# KiCad board schema_keyboard_game.kicad_pcb (continued)
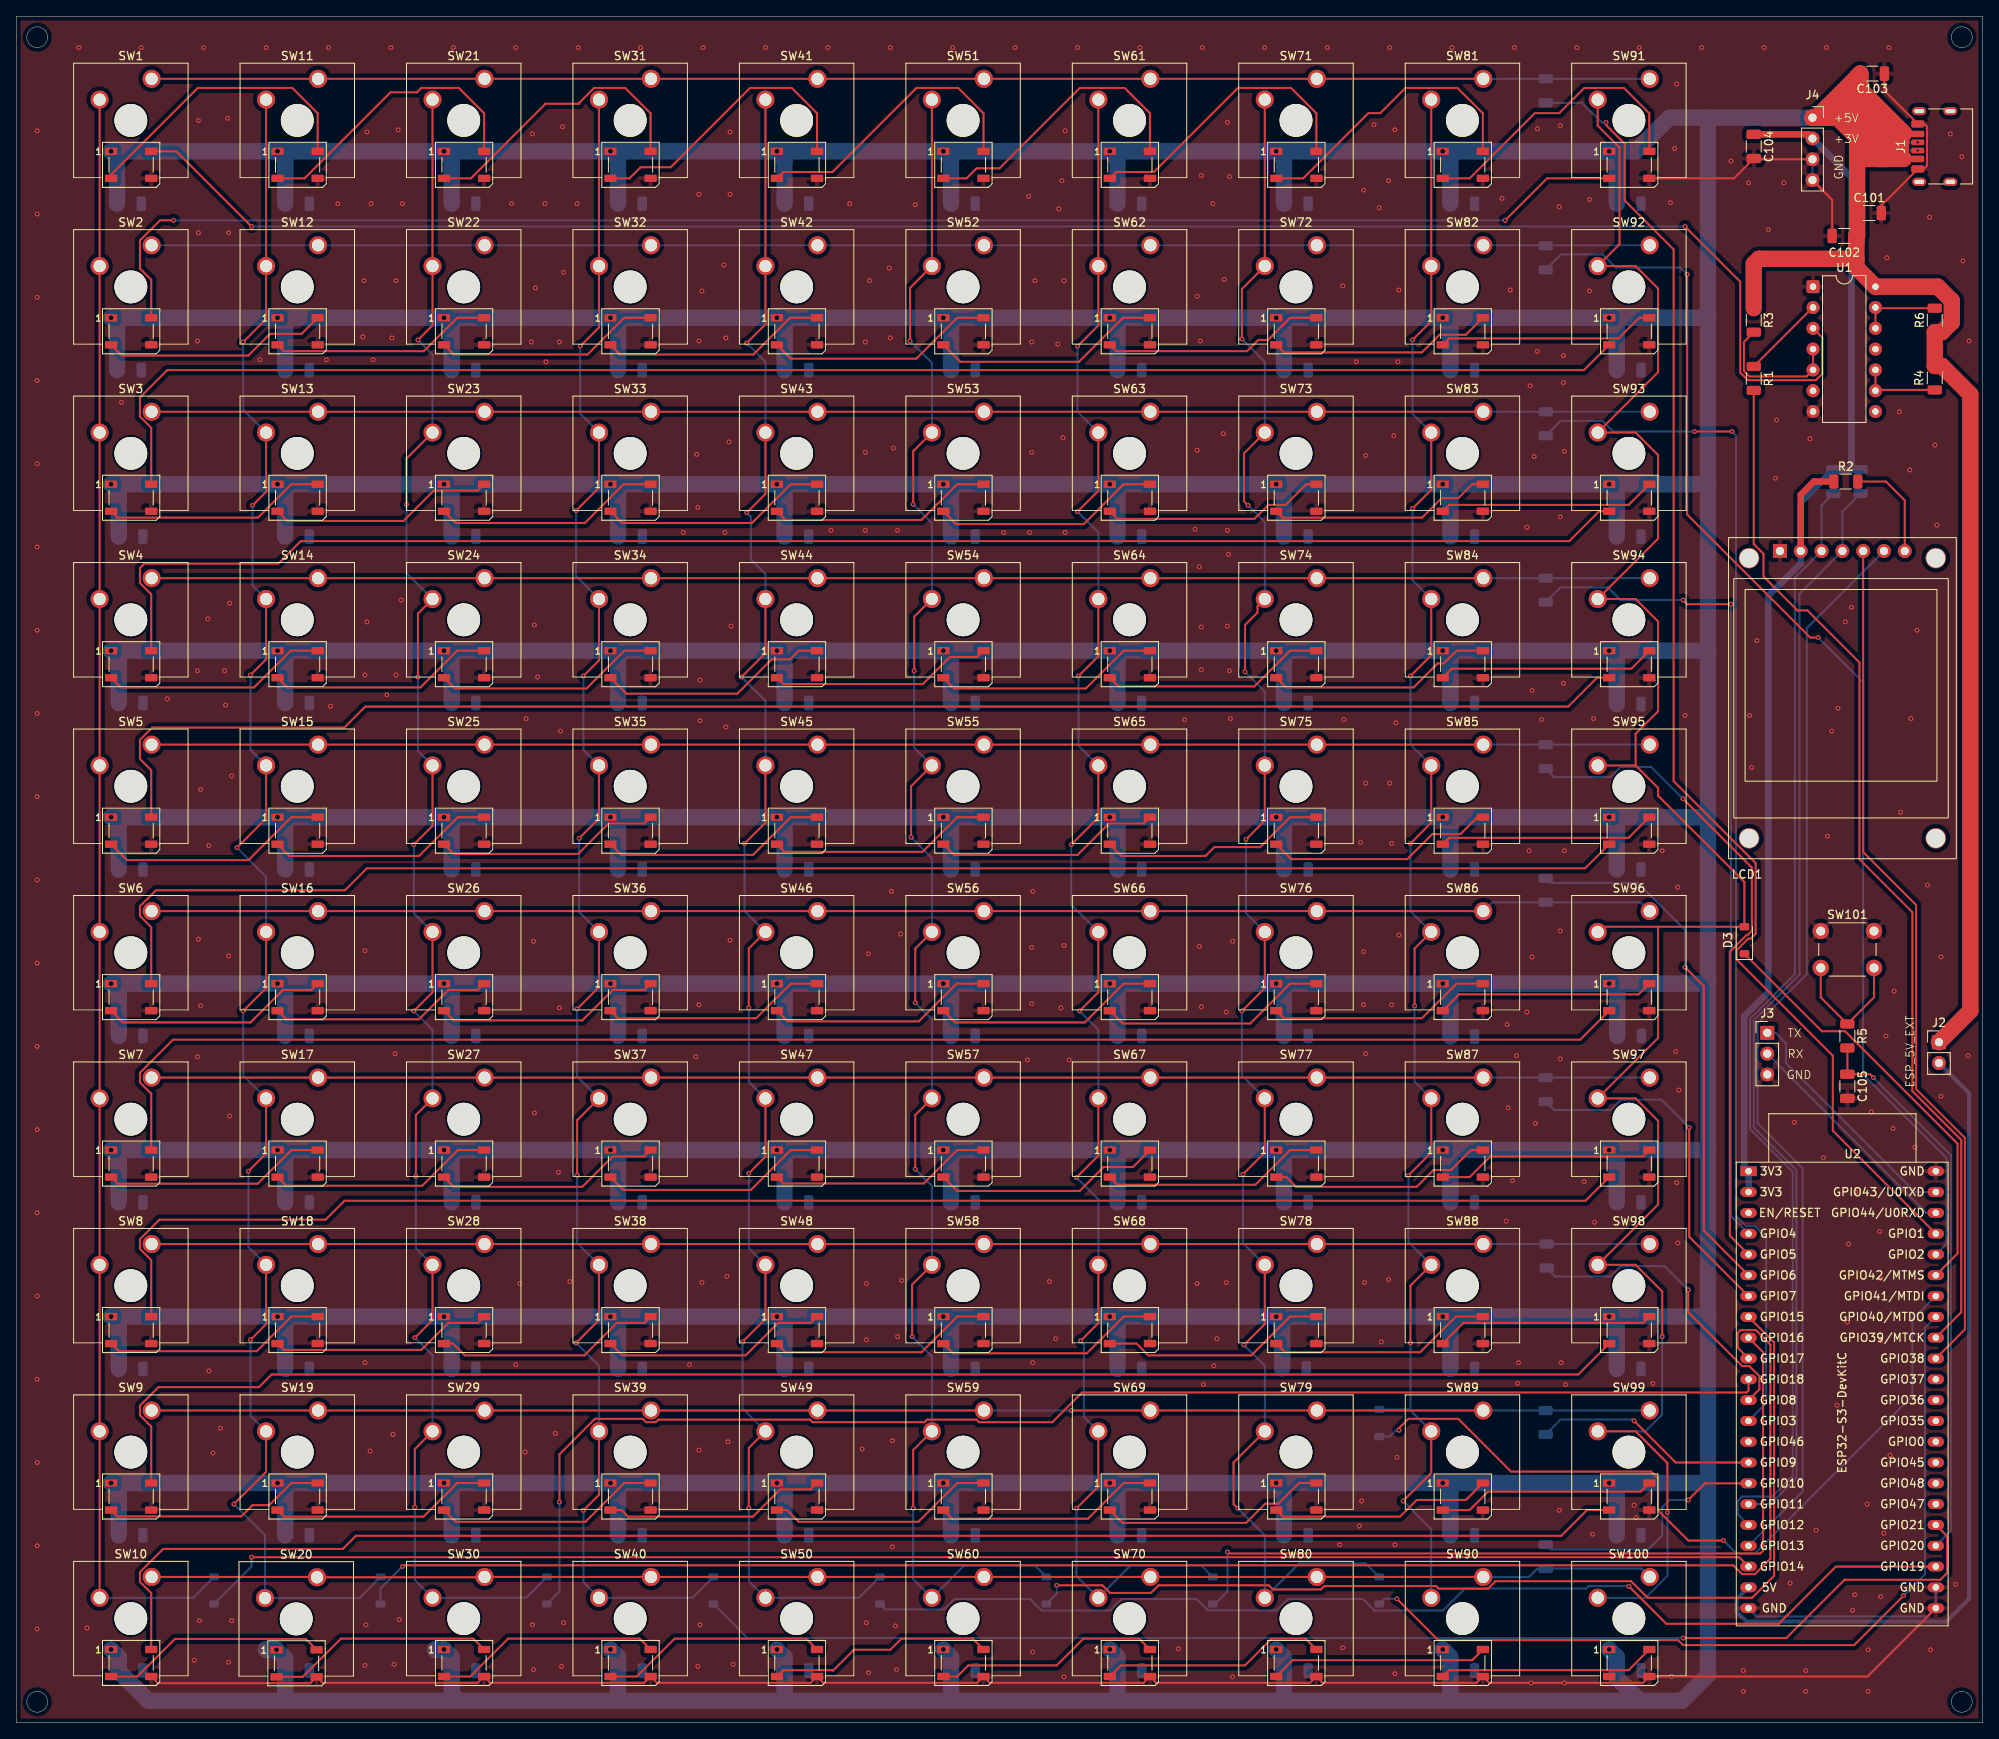
[diagram p0: board, top side]
## Nets
+3V3: C104.1 J4.2 LCD1.2 R2.1 R17.2 R18.2 U2.1 U2.2
+5V: C1.1 C2.1 C3.1 C4.1 C5.1 C6.1 C7.1 C8.1 C9.1 C10.1 C11.1 C12.1 C13.1 C14.1 C15.1 C16.1 C17.1 C18.1 C19.1 C20.1 C21.1 C22.1 C23.1 C24.1 C25.1 C26.1 C27.1 C28.1 C29.1 C30.1 C31.1 C32.1 C33.1 C34.1 C35.1 C36.1 C37.1 C38.1 C39.1 C40.1 C41.1 C42.1 C43.1 C44.1 C45.1 C46.1 C47.1 C48.1 C49.1 C50.1 C51.1 C52.1 C53.1 C54.1 C55.1 C56.1 C57.1 C58.1 C59.1 C60.1 C61.1 C62.1 C63.1 C64.1 C65.1 C66.1 C67.1 C68.1 C69.1 C70.1 C71.1 C72.1 C73.1 C74.1 C75.1 C76.1 C77.1 C78.1 C79.1 C80.1 C81.1 C82.1 C83.1 C84.1 C85.1 C86.1 C87.1 C88.1 C89.1 C90.1 C91.1 C92.1 C93.1 C94.1 C95.1 C96.1 C97.1 C98.1 C99.1 C100.1 C101.1 C102.2 C103.2 J1.A9 J1.B9 J2.1 J4.1 R3.1 R4.1 R6.1 SW1.1 SW2.1 SW3.1 SW4.1 SW5.1 SW6.1 SW7.1 SW8.1 SW9.1 SW10.1 SW11.1 SW12.1 SW13.1 SW14.1 SW15.1 SW16.1 SW17.1 SW18.1 SW19.1 SW20.1 SW21.1 SW22.1 SW23.1 SW24.1 SW25.1 SW26.1 SW27.1 SW28.1 SW29.1 SW30.1 SW31.1 SW32.1 SW33.1 SW34.1 SW35.1 SW36.1 SW37.1 SW38.1 SW39.1 SW40.1 SW41.1 SW42.1 SW43.1 SW44.1 SW45.1 SW46.1 SW47.1 SW48.1 SW49.1 SW50.1 SW51.1 SW52.1 SW53.1 SW54.1 SW55.1 SW56.1 SW57.1 SW58.1 SW59.1 SW60.1 SW61.1 SW62.1 SW63.1 SW64.1 SW65.1 SW66.1 SW67.1 SW68.1 SW69.1 SW70.1 SW71.1 SW72.1 SW73.1 SW74.1 SW75.1 SW76.1 SW77.1 SW78.1 SW79.1 SW80.1 SW81.1 SW82.1 SW83.1 SW84.1 SW85.1 SW86.1 SW87.1 SW88.1 SW89.1 SW90.1 SW91.1 SW92.1 SW93.1 SW94.1 SW95.1 SW96.1 SW97.1 SW98.1 SW99.1 SW100.1 U1.14
GND: C1.2 C2.2 C3.2 C4.2 C5.2 C6.2 C7.2 C8.2 C9.2 C10.2 C11.2 C12.2 C13.2 C14.2 C15.2 C16.2 C17.2 C18.2 C19.2 C20.2 C21.2 C22.2 C23.2 C24.2 C25.2 C26.2 C27.2 C28.2 C29.2 C30.2 C31.2 C32.2 C33.2 C34.2 C35.2 C36.2 C37.2 C38.2 C39.2 C40.2 C41.2 C42.2 C43.2 C44.2 C45.2 C46.2 C47.2 C48.2 C49.2 C50.2 C51.2 C52.2 C53.2 C54.2 C55.2 C56.2 C57.2 C58.2 C59.2 C60.2 C61.2 C62.2 C63.2 C64.2 C65.2 C66.2 C67.2 C68.2 C69.2 C70.2 C71.2 C72.2 C73.2 C74.2 C75.2 C76.2 C77.2 C78.2 C79.2 C80.2 C81.2 C82.2 C83.2 C84.2 C85.2 C86.2 C87.2 C88.2 C89.2 C90.2 C91.2 C92.2 C93.2 C94.2 C95.2 C96.2 C97.2 C98.2 C99.2 C100.2 C101.2 C102.1 C103.1 C104.2 C105.2 J1.A12 J1.B12 J3.3 J4.3 J4.4 LCD1.1 R19.1 R20.1 SW1.3 SW2.3 SW3.3 SW4.3 SW5.3 SW6.3 SW7.3 SW8.3 SW9.3 SW10.3 SW11.3 SW12.3 SW13.3 SW14.3 SW15.3 SW16.3 SW17.3 SW18.3 SW19.3 SW20.3 SW21.3 SW22.3 SW23.3 SW24.3 SW25.3 SW26.3 SW27.3 SW28.3 SW29.3 SW30.3 SW31.3 SW32.3 SW33.3 SW34.3 SW35.3 SW36.3 SW37.3 SW38.3 SW39.3 SW40.3 SW41.3 SW42.3 SW43.3 SW44.3 SW45.3 SW46.3 SW47.3 SW48.3 SW49.3 SW50.3 SW51.3 SW52.3 SW53.3 SW54.3 SW55.3 SW56.3 SW57.3 SW58.3 SW59.3 SW60.3 SW61.3 SW62.3 SW63.3 SW64.3 SW65.3 SW66.3 SW67.3 SW68.3 SW69.3 SW70.3 SW71.3 SW72.3 SW73.3 SW74.3 SW75.3 SW76.3 SW77.3 SW78.3 SW79.3 SW80.3 SW81.3 SW82.3 SW83.3 SW84.3 SW85.3 SW86.3 SW87.3 SW88.3 SW89.3 SW90.3 SW91.3 SW92.3 SW93.3 SW94.3 SW95.3 SW96.3 SW97.3 SW98.3 SW99.3 SW100.3 SW101.1 U1.1 U1.7 U2.22 U2.23 U2.24 U2.44
/cl_1: D6.2 SW1.6 SW2.6 SW3.6 SW4.6 SW5.6 SW6.6 SW7.6 SW8.6 SW9.6 SW10.6
/cl_2: D7.2 SW11.6 SW12.6 SW13.6 SW14.6 SW15.6 SW16.6 SW17.6 SW18.6 SW19.6 SW20.6
/cl_3: D8.2 SW21.6 SW22.6 SW23.6 SW24.6 SW25.6 SW26.6 SW27.6 SW28.6 SW29.6 SW30.6
/cl_4: D9.2 SW31.6 SW32.6 SW33.6 SW34.6 SW35.6 SW36.6 SW37.6 SW38.6 SW39.6 SW40.6
/cl_5: D10.2 SW41.6 SW42.6 SW43.6 SW44.6 SW45.6 SW46.6 SW47.6 SW48.6 SW49.6 SW50.6
/cl_6: D4.2 SW51.6 SW52.6 SW53.6 SW54.6 SW55.6 SW56.6 SW57.6 SW58.6 SW59.6 SW60.6
/cl_7: D5.2 SW61.6 SW62.6 SW63.6 SW64.6 SW65.6 SW66.6 SW67.6 SW68.6 SW69.6 SW70.6
/cl_8: D1.2 SW71.6 SW72.6 SW73.6 SW74.6 SW75.6 SW76.6 SW77.6 SW78.6 SW79.6 SW80.6
/cl_9: D2.2 SW81.6 SW82.6 SW83.6 SW84.6 SW85.6 SW86.6 SW87.6 SW88.6 SW89.6 SW90.6
/cl_10: D3.2 SW91.6 SW92.6 SW93.6 SW94.6 SW95.6 SW96.6 SW97.6 SW98.6 SW99.6 SW100.6
/dc: LCD1.6 U2.19
/esp_5V_external: J2.2 U2.21
/key_1: C105.1 R5.2 U2.26
/led_1: SW2.4 SW91.2
/led_2: SW3.4 SW92.2
/led_3: SW4.4 SW93.2
/led_4: SW5.4 SW94.2
/led_5: SW6.4 SW95.2
/led_6: SW7.4 SW96.2
/led_7: SW8.4 SW97.2
/led_8: SW9.4 SW98.2
/led_9: SW10.4 SW99.2
/reset_tft: LCD1.5 U2.35
/rgb_in: R1.1 U1.2
/rgb_in_5V: SW1.4 U1.3
/row_1: R7.2 SW1.5 SW11.5 SW21.5 SW31.5 SW41.5 SW51.5 SW61.5 SW71.5 SW81.5 SW91.5
/row_2: R8.2 SW2.5 SW12.5 SW22.5 SW32.5 SW42.5 SW52.5 SW62.5 SW72.5 SW82.5 SW92.5
/row_3: R9.2 SW3.5 SW13.5 SW23.5 SW33.5 SW43.5 SW53.5 SW63.5 SW73.5 SW83.5 SW93.5
/row_4: R10.2 SW4.5 SW14.5 SW24.5 SW34.5 SW44.5 SW54.5 SW64.5 SW74.5 SW84.5 SW94.5
/row_5: R11.2 SW5.5 SW15.5 SW25.5 SW35.5 SW45.5 SW55.5 SW65.5 SW75.5 SW85.5 SW95.5
/row_6: R12.2 SW6.5 SW16.5 SW26.5 SW36.5 SW46.5 SW56.5 SW66.5 SW76.5 SW86.5 SW96.5
/row_7: R13.2 SW7.5 SW17.5 SW27.5 SW37.5 SW47.5 SW57.5 SW67.5 SW77.5 SW87.5 SW97.5
/row_8: R14.2 SW8.5 SW18.5 SW28.5 SW38.5 SW48.5 SW58.5 SW68.5 SW78.5 SW88.5 SW98.5
/row_9: R15.2 SW9.5 SW19.5 SW29.5 SW39.5 SW49.5 SW59.5 SW69.5 SW79.5 SW89.5 SW99.5
/row_10: R16.2 SW10.5 SW20.5 SW30.5 SW40.5 SW50.5 SW60.5 SW70.5 SW80.5 SW90.5 SW100.5
/sck: LCD1.3 R18.1 U2.18
/sda: LCD1.4 R17.1 U2.17
/uart_rx: J3.2 U2.42
/uart_tx: J3.1 U2.43
Net-(D1-K): D1.1 U2.37
Net-(D2-K): D2.1 U2.38
Net-(D3-K): D3.1 U2.39
Net-(D4-K): D4.1 U2.8
Net-(D5-K): D5.1 U2.9
Net-(D6-K): D6.1 U2.20
Net-(D7-K): D7.1 U2.10
Net-(D8-K): D8.1 U2.11
Net-(D9-K): D9.1 U2.27
Net-(D10-K): D10.1 U2.25
Net-(J1-CC1): J1.A5 R20.2
Net-(J1-CC2): J1.B5 R19.2
Net-(LCD1-BLK): LCD1.7 R2.2
Net-(R3-Pad2): R3.2 U1.4 U1.5
Net-(R4-Pad2): R4.2 U1.9 U1.10
Net-(R5-Pad1): R5.1 SW101.2
Net-(R6-Pad2): R6.2 U1.12 U1.13
Net-(SW1-DOUT): SW1.2 SW11.4
Net-(SW10-DOUT): SW10.2 SW20.4
Net-(SW11-DOUT): SW11.2 SW21.4
Net-(SW12-DIN): SW2.2 SW12.4
Net-(SW12-DOUT): SW12.2 SW22.4
Net-(SW13-DIN): SW3.2 SW13.4
Net-(SW13-DOUT): SW13.2 SW23.4
Net-(SW14-DIN): SW4.2 SW14.4
Net-(SW14-DOUT): SW14.2 SW24.4
Net-(SW15-DIN): SW5.2 SW15.4
Net-(SW15-DOUT): SW15.2 SW25.4
Net-(SW16-DIN): SW6.2 SW16.4
Net-(SW16-DOUT): SW16.2 SW26.4
Net-(SW17-DIN): SW7.2 SW17.4
Net-(SW17-DOUT): SW17.2 SW27.4
Net-(SW18-DIN): SW8.2 SW18.4
Net-(SW18-DOUT): SW18.2 SW28.4
Net-(SW19-DIN): SW9.2 SW19.4
Net-(SW19-DOUT): SW19.2 SW29.4
Net-(SW20-DOUT): SW20.2 SW30.4
Net-(SW21-DOUT): SW21.2 SW31.4
Net-(SW22-DOUT): SW22.2 SW32.4
Net-(SW23-DOUT): SW23.2 SW33.4
Net-(SW24-DOUT): SW24.2 SW34.4
Net-(SW25-DOUT): SW25.2 SW35.4
Net-(SW26-DOUT): SW26.2 SW36.4
Net-(SW27-DOUT): SW27.2 SW37.4
Net-(SW28-DOUT): SW28.2 SW38.4
Net-(SW29-DOUT): SW29.2 SW39.4
Net-(SW30-DOUT): SW30.2 SW40.4
Net-(SW31-DOUT): SW31.2 SW41.4
Net-(SW32-DOUT): SW32.2 SW42.4
Net-(SW33-DOUT): SW33.2 SW43.4
Net-(SW34-DOUT): SW34.2 SW44.4
Net-(SW35-DOUT): SW35.2 SW45.4
Net-(SW36-DOUT): SW36.2 SW46.4
Net-(SW37-DOUT): SW37.2 SW47.4
Net-(SW38-DOUT): SW38.2 SW48.4
Net-(SW39-DOUT): SW39.2 SW49.4
Net-(SW40-DOUT): SW40.2 SW50.4
Net-(SW41-DOUT): SW41.2 SW51.4
Net-(SW42-DOUT): SW42.2 SW52.4
Net-(SW43-DOUT): SW43.2 SW53.4
Net-(SW44-DOUT): SW44.2 SW54.4
Net-(SW45-DOUT): SW45.2 SW55.4
Net-(SW46-DOUT): SW46.2 SW56.4
Net-(SW47-DOUT): SW47.2 SW57.4
Net-(SW48-DOUT): SW48.2 SW58.4
Net-(SW49-DOUT): SW49.2 SW59.4
Net-(SW50-DOUT): SW50.2 SW60.4
Net-(SW51-DOUT): SW51.2 SW61.4
Net-(SW52-DOUT): SW52.2 SW62.4
Net-(SW53-DOUT): SW53.2 SW63.4
Net-(SW54-DOUT): SW54.2 SW64.4
Net-(SW55-DOUT): SW55.2 SW65.4
Net-(SW56-DOUT): SW56.2 SW66.4
Net-(SW57-DOUT): SW57.2 SW67.4
Net-(SW58-DOUT): SW58.2 SW68.4
Net-(SW59-DOUT): SW59.2 SW69.4
Net-(SW60-DOUT): SW60.2 SW70.4
Net-(SW61-DOUT): SW61.2 SW71.4
Net-(SW62-DOUT): SW62.2 SW72.4
Net-(SW63-DOUT): SW63.2 SW73.4
Net-(SW64-DOUT): SW64.2 SW74.4
Net-(SW65-DOUT): SW65.2 SW75.4
Net-(SW66-DOUT): SW66.2 SW76.4
Net-(SW67-DOUT): SW67.2 SW77.4
Net-(SW68-DOUT): SW68.2 SW78.4
Net-(SW69-DOUT): SW69.2 SW79.4
Net-(SW70-DOUT): SW70.2 SW80.4
Net-(SW71-DOUT): SW71.2 SW81.4
Net-(SW72-DOUT): SW72.2 SW82.4
Net-(SW73-DOUT): SW73.2 SW83.4
Net-(SW74-DOUT): SW74.2 SW84.4
Net-(SW75-DOUT): SW75.2 SW85.4
Net-(SW76-DOUT): SW76.2 SW86.4
Net-(SW77-DOUT): SW77.2 SW87.4
Net-(SW78-DOUT): SW78.2 SW88.4
Net-(SW79-DOUT): SW79.2 SW89.4
Net-(SW80-DOUT): SW80.2 SW90.4
Net-(SW81-DOUT): SW81.2 SW91.4
Net-(SW82-DOUT): SW82.2 SW92.4
Net-(SW83-DOUT): SW83.2 SW93.4
Net-(SW84-DOUT): SW84.2 SW94.4
Net-(SW85-DOUT): SW85.2 SW95.4
Net-(SW86-DOUT): SW86.2 SW96.4
Net-(SW87-DOUT): SW87.2 SW97.4
Net-(SW88-DOUT): SW88.2 SW98.4
Net-(SW89-DOUT): SW89.2 SW99.4
Net-(SW100-DIN): SW90.2 SW100.4
Net-(U2-GPIO1/ADC1_CH0): R7.1 U2.41
Net-(U2-GPIO2/ADC1_CH1): R8.1 U2.40
Net-(U2-GPIO3/ADC1_CH2): R9.1 U2.13
Net-(U2-GPIO4/ADC1_CH3): R10.1 U2.4
Net-(U2-GPIO5/ADC1_CH4): R11.1 U2.5
Net-(U2-GPIO6/ADC1_CH5): R12.1 U2.6
Net-(U2-GPIO7/ADC1_CH6): R13.1 U2.7
Net-(U2-GPIO8/ADC1_CH7): R14.1 U2.12
Net-(U2-GPIO9/ADC1_CH8): R15.1 U2.15
Net-(U2-GPIO10/ADC1_CH9): R16.1 U2.16
Net-(U2-GPIO39/MTCK): R1.2 U2.36

Pads without a net: J1 S1; SW100 2; U1 6 8 11; U2 3 14 28 29 30 31 32 33 34

## Via types
v1: diameter 0.8, hole 0.6, Top to Bottom, 100 vias
v2: diameter 0.6, hole 0.3, Top to Bottom, 485 vias

## Routing (per net, layer and track width the routed paths; a pad name or vN(x,y) marks a point on that pad's centre or on a via; arc(x,y) is an arc through that point)
+3V3: length 157.7
  Top w0.8: R2.1 219.6,151.5 219.58,151.51 219.46,151.51 217.82,149.88 217.82,143.02 ; C104.1 218.76,193.88 J4.2
  Bottom w0.8: 223.65,152.96 224.03,153.34 224.03,188.61 J4.2 ; 223.65,152.96 R18.2 217.82,148.97 217.82,141.51 213.87,137.55 213.87,89.16 210.92,86.21 210.92,67.85 U2.1 U2.2 ; 223.65,152.96 R17.2
+5V: length 3046.3
  Top w2: 226.89,192.28 228.28,190.88 228.35,190.88 ; 226.89,192.28 226.89,191.33 ; 226.89,192.28 226.89,193.93 225.09,195.72 C103.2 ; 224.71,190.75 224.71,200.91 C103.2 ; 224.71,190.75 224.84,190.88 228.35,190.88 ; 224.71,190.75 C101.1 224.71,181.58 C102.2 ; 224.61,180.58 C102.2 ; C102.2 224.61,178.69 ; 226.89,191.33 222.3,195.92 J4.1 ; 226.89,191.33 227.33,190.88 228.35,190.88 ; J4.1 225.35,195.92 230.39,190.88 228.35,190.88 ; J4.1 219.71,195.92 C103.2 ; 230.45,193.99 225.09,199.35 C103.2 ; 224.61,178.69 212.73,178.69 212.09,178.05 R3.1 ; 224.61,178.69 224.61,177.62 U1.14 234.56,175.29 236.26,173.58 236.26,170.93 235.06,169.73 R6.1 R4.1 235.06,165.61 238.53,162.14 238.53,86.89 J2.1
  Bottom w2: v1(194.44,191.81) 197.68,191.81 201.78,195.92 206.5,195.92 ; v1(194.44,191.81) 195.38,190.88 C76.1 ; v1(194.44,191.81) v1(174.12,191.81) ; v1(31.88,90.21) v1(11.56,90.21) 12.5,89.28 C6.1 ; v1(31.88,90.21) v1(52.2,90.21) ; v1(31.88,90.21) 32.81,89.28 C15.1 ; v1(52.2,191.81) v1(31.88,191.81) ; v1(52.2,191.81) 53.14,190.88 C42.1 ; v1(52.2,191.81) v1(72.52,191.81) ; v1(31.88,191.81) 32.81,190.88 C10.1 ; v1(31.88,191.81) v1(11.56,191.81) 12.29,191.08 C1.1 ; v1(194.44,130.85) 195.38,129.92 C90.1 ; v1(194.44,130.85) v1(174.12,130.85) ; v1(194.44,130.85) 206.46,130.85 206.5,130.81 ; C4.1 12.5,129.92 v1(11.56,130.85) v1(31.88,130.85) ; C93.1 195.38,48.63 v1(194.44,49.57) ; v1(153.8,8.93) 154.74,8 C74.1 154.74,2.97 154.43,2.67 ; C69.1 134.42,89.28 v1(133.48,90.21) ; 134.49,2.67 134.42,2.75 C88.1 134.42,8 v1(133.48,8.93) ; 134.49,2.67 154.43,2.67 ; 134.49,2.67 114.3,2.67 ; C94.1 114.1,89.28 v1(113.16,90.21) ; 206.5,171.32 206.5,151.26 ; 206.5,171.32 206.5,195.92 ; 206.5,171.32 206.34,171.49 v1(194.44,171.49) ; 206.5,151.26 206.5,130.81 ; 206.5,151.26 206.42,151.17 v1(194.44,151.17) ; C47.1 114.1,28.31 v1(113.16,29.25) ; C26.1 53.14,48.63 v1(52.2,49.57) ; v1(92.84,130.85) v1(72.52,130.85) ; v1(92.84,130.85) v1(113.16,130.85) ; v1(92.84,130.85) 93.77,129.92 C40.1 ; v1(72.52,130.85) v1(52.2,130.85) ; v1(72.52,130.85) 73.45,129.92 C33.1 ; v1(153.8,29.25) v1(133.48,29.25) ; v1(153.8,29.25) 154.74,28.31 C80.1 ; v1(153.8,29.25) v1(174.12,29.25) ; v1(133.48,29.25) 134.42,28.31 C51.1 ; v1(133.48,29.25) v1(113.16,29.25) ; C95.1 114.1,68.96 v1(113.16,69.89) ; C45.1 154.74,190.88 v1(153.8,191.81) ; C20.1 73.45,170.56 v1(72.52,171.49) ; v1(72.52,151.17) 73.45,150.24 C34.1 ; v1(72.52,151.17) v1(92.84,151.17) ; v1(72.52,151.17) v1(52.2,151.17) ; v1(194.44,110.53) 195.38,109.59 C100.1 ; v1(194.44,110.53) v1(174.12,110.53) ; v1(194.44,110.53) 206.16,110.53 206.5,110.87 ; 206.5,49.4 206.5,29.21 ; 206.5,49.4 206.5,70.23 ; 206.5,49.4 206.34,49.57 v1(194.44,49.57) ; 206.5,29.21 206.46,29.25 v1(194.44,29.25) ; 206.5,29.21 206.5,5.84 203.33,2.67 198.16,2.67 ; C85.1 175.06,129.92 v1(174.12,130.85) ; 114.3,2.67 114.1,2.87 C73.1 114.1,8 v1(113.16,8.93) ; 114.3,2.67 93.98,2.67 ; v1(194.44,171.49) v1(174.12,171.49) ; v1(194.44,171.49) 195.38,170.56 C50.1 ; C81.1 195.38,68.96 v1(194.44,69.89) ; v1(72.52,29.25) v1(52.2,29.25) ; v1(72.52,29.25) 73.45,28.31 C28.1 ; v1(72.52,29.25) v1(92.84,29.25) ; v1(52.2,29.25) 53.14,28.31 C27.1 ; v1(52.2,29.25) v1(31.88,29.25) ; v1(133.48,90.21) v1(153.8,90.21) ; v1(133.48,90.21) v1(113.16,90.21) ; C91.1 93.77,170.56 v1(92.84,171.49) ; 206.5,110.87 206.5,130.81 ; 206.5,110.87 206.5,90.3 ; C61.1 93.77,190.87 v1(92.84,191.81) ; v1(31.88,151.17) v1(11.56,151.17) 12.5,150.24 C3.1 ; v1(31.88,151.17) 32.81,150.24 C12.1 ; v1(31.88,151.17) v1(52.2,151.17) ; v1(31.88,49.57) v1(11.56,49.57) 12.5,48.63 C8.1 ; v1(31.88,49.57) 32.81,48.63 C17.1 ; v1(31.88,49.57) v1(52.2,49.57) ; v1(194.44,29.25) v1(174.12,29.25) ; v1(194.44,29.25) 195.38,28.31 C63.1 ; v1(174.12,29.25) 175.06,28.31 C79.1 ; v1(153.8,90.21) 154.74,89.28 C54.1 ; v1(153.8,90.21) v1(174.12,90.21) ; C21.1 53.14,150.24 v1(52.2,151.17) ; v1(72.52,8.93) 73.45,8 C72.1 73.45,3 73.79,2.67 ; 206.5,195.92 J4.1 ; v1(113.16,49.57) 114.1,48.63 C49.1 ; v1(113.16,49.57) v1(133.48,49.57) ; v1(113.16,49.57) v1(92.84,49.57) ; v1(72.52,90.21) 73.45,89.28 C31.1 ; v1(72.52,90.21) v1(92.84,90.21) ; v1(72.52,90.21) v1(52.2,90.21) ; 198.16,2.67 195.38,5.45 C75.1 195.38,8 v1(194.44,8.93) ; 198.16,2.67 175.26,2.67 ; v1(113.16,110.53) v1(133.48,110.53) ; v1(113.16,110.53) v1(92.84,110.53) ; v1(113.16,110.53) 114.1,109.59 C82.1 ; v1(133.48,110.53) v1(153.8,110.53) ; v1(133.48,110.53) 134.42,109.59 C84.1 ; v1(52.2,90.21) 53.14,89.28 C24.1 ; C41.1 93.77,150.24 v1(92.84,151.17) ; v1(174.12,69.89) v1(153.8,69.89) ; v1(174.12,69.89) v1(194.44,69.89) ; v1(174.12,69.89) 175.06,68.96 C67.1 ; v1(153.8,69.89) 154.74,68.96 C96.1 ; v1(153.8,69.89) v1(133.48,69.89) ; v1(92.84,90.21) 93.77,89.28 C38.1 ; v1(92.84,90.21) v1(113.16,90.21) ; v1(92.84,69.89) v1(72.52,69.89) ; v1(92.84,69.89) 93.77,68.96 C37.1 ; v1(92.84,69.89) v1(113.16,69.89) ; v1(72.52,69.89) 73.45,68.96 C30.1 ; v1(72.52,69.89) v1(52.2,69.89) ; C32.1 73.45,109.59 v1(72.52,110.53) ; v1(174.12,171.49) 175.06,170.56 C68.1 ; v1(174.12,171.49) v1(153.8,171.49) ; C35.1 93.77,28.31 v1(92.84,29.25) ; C29.1 73.45,48.63 v1(72.52,49.57) ; C44.1 134.42,190.88 v1(133.48,191.81) ; C39.1 93.77,109.59 v1(92.84,110.53) ; v1(153.8,130.85) v1(133.48,130.85) ; v1(153.8,130.85) v1(174.12,130.85) ; v1(153.8,130.85) 154.74,129.92 C70.1 ; v1(133.48,130.85) v1(113.16,130.85) ; v1(133.48,130.85) 134.42,129.92 C97.1 ; v1(194.44,90.21) 195.42,89.23 C83.1 ; v1(194.44,90.21) 206.42,90.21 206.5,90.3 ; v1(194.44,90.21) v1(174.12,90.21) ; 206.5,90.3 206.5,70.23 ; 206.5,70.23 206.16,69.89 v1(194.44,69.89) ; v1(92.84,151.17) v1(113.16,151.17) ; C23.1 53.14,109.59 v1(52.2,110.53) ; v1(92.84,110.53) v1(72.52,110.53) ; v1(174.12,49.57) v1(194.44,49.57) ; v1(174.12,49.57) v1(153.8,49.57) ; v1(174.12,49.57) 175.06,48.63 C55.1 ; C14.1 32.81,109.59 v1(31.88,110.53) ; C99.1 154.74,109.59 v1(153.8,110.53) ; v1(72.52,171.49) v1(92.84,171.49) ; v1(72.52,171.49) v1(52.2,171.49) ; v1(92.84,171.49) v1(113.16,171.49) ; C19.1 53.14,170.56 v1(52.2,171.49) ; v1(174.12,151.17) v1(153.8,151.17) ; v1(174.12,151.17) v1(194.44,151.17) ; v1(174.12,151.17) 175.06,150.24 C57.1 ; v1(153.8,151.17) 154.74,150.24 C86.1 ; v1(153.8,151.17) v1(133.48,151.17) ; v1(72.52,49.57) v1(52.2,49.57) ; v1(72.52,49.57) v1(92.84,49.57) ; C46.1 73.45,190.88 v1(72.52,191.81) ; v1(133.48,49.57) v1(153.8,49.57) ; v1(133.48,49.57) 134.42,48.63 C65.1 ; C43.1 114.1,190.88 v1(113.16,191.81) ; v1(52.2,110.53) v1(72.52,110.53) ; v1(52.2,110.53) v1(31.88,110.53) ; v1(92.84,8.93) 93.77,8 C60.1 93.77,2.87 93.98,2.67 ; 154.43,2.67 175.26,2.67 ; v1(52.2,130.85) v1(31.88,130.85) ; v1(52.2,130.85) 53.14,129.92 C22.1 ; v1(31.88,130.85) 32.81,129.92 C13.1 ; v1(92.84,49.57) 93.77,48.63 C36.1 ; v1(153.8,171.49) v1(133.48,171.49) ; v1(153.8,171.49) 154.74,170.56 C78.1 ; C7.1 12.5,68.96 v1(11.56,69.89) v1(31.88,69.89) ; v1(153.8,110.53) v1(174.12,110.53) ; v1(113.16,69.89) v1(133.48,69.89) ; v1(31.88,69.89) 32.81,68.96 C16.1 ; v1(31.88,69.89) v1(52.2,69.89) ; v1(194.44,151.17) 195.38,150.24 C56.1 ; v1(133.48,69.89) 134.42,68.96 C66.1 ; v1(113.16,130.85) 114.1,129.92 C92.1 ; v1(31.88,29.25) v1(11.56,29.25) 12.5,28.31 C9.1 ; v1(31.88,29.25) 32.81,28.31 C18.1 ; v1(72.52,191.81) v1(92.84,191.81) ; 93.98,2.67 73.79,2.67 ; 73.79,2.67 53.98,2.67 ; v1(92.84,29.25) v1(113.16,29.25) ; v1(92.84,191.81) v1(113.16,191.81) ; v1(52.2,69.89) 53.14,68.96 C25.1 ; v1(153.8,49.57) 154.52,48.85 C52.1 ; C53.1 134.42,150.24 v1(133.48,151.17) ; C2.1 12.29,170.76 v1(11.56,171.49) v1(31.88,171.49) ; v1(174.12,191.81) 175.06,190.88 C48.1 ; v1(174.12,191.81) v1(153.8,191.81) ; v1(174.12,110.53) 175.06,109.59 C98.1 ; v1(133.48,171.49) 134.42,170.56 C64.1 ; v1(133.48,171.49) v1(113.16,171.49) ; v1(113.16,191.81) v1(133.48,191.81) ; v1(174.12,8.93) 175.06,8 C89.1 175.06,2.87 175.26,2.67 ; C62.1 114.1,170.56 v1(113.16,171.49) ; v1(174.12,90.21) 175.06,89.28 C87.1 ; v1(153.8,191.81) v1(133.48,191.81) ; 51.1,8.89 51.14,8.93 v1(52.2,8.93) 53.14,8 C59.1 53.14,3.51 53.98,2.67 ; v1(31.88,171.49) 32.81,170.56 C11.1 ; v1(31.88,171.49) v1(52.2,171.49) ; v1(133.48,151.17) v1(113.16,151.17) ; 53.98,2.67 33.15,2.67 ; 33.15,2.67 32.81,3 C58.1 32.81,7.83 v1(31.75,8.89) 30.48,8.89 30.44,8.93 ; 33.15,2.67 16.1,2.67 12.5,6.27 C71.1 12.5,8 v1(11.56,8.93) ; v1(113.16,151.17) 114.1,150.24 C77.1 ; v1(31.88,110.53) v1(11.56,110.53) 12.5,109.59 C5.1
GND: length 307
  Top w0.25: SW91.3 209.67,188.51 C104.2 212.18,190.84 J4.3 ; J4.4 221.66,185.89 C102.1 ; C101.2 227.66,185.2 J1.B12 232.83,189.65 233.24,190.06 233.24,194.83 232.91,195.15 J1.A12 228.04,199.22 C103.1 ; U2.23 225.98,5.63 v2(202.06,5.63) SW100.3 198.56,4.86 v2(188.98,4.86) v2(184.91,4.86) 179.8,4.86 SW90.3 178.25,4.86 159.48,4.86 SW80.3 157.93,4.86 139.16,4.86 SW70.3 137.61,4.86 118.83,4.86 SW60.3 117.29,4.86 98.52,4.86 SW50.3 96.96,4.86 78.2,4.86 SW40.3 76.64,4.86 57.88,4.86 SW30.3 56.33,4.86 37.39,4.86 SW20.3 35.88,4.81 17.28,4.81 SW10.3
  Bottom w0.25: U2.24 U2.23 233.31,12.96 212.46,12.96 U2.22 ; J4.3 J4.4
  vias: v2(2.54,194.31) v2(2.54,184.15) v2(2.54,173.99) v2(2.54,163.83) v2(2.54,153.67) v2(2.54,143.51) v2(2.54,133.35) v2(2.54,123.19) v2(2.54,113.03) v2(2.54,102.87) v2(2.54,92.71) v2(2.54,82.55) v2(2.54,72.39) v2(2.54,62.23) v2(2.54,52.07) v2(2.54,41.91) v2(2.54,31.75) v2(2.54,21.59) v2(2.54,11.43) v2(7.62,204.47) v2(8.64,11.56) v2(12.83,161.16) v2(15.24,204.47) v2(18.42,124.97) v2(21.72,7.62) v2(22.1,168.66) v2(22.1,128.4) v2(22.1,81.28) v2(22.23,195.58) v2(22.23,181.86) v2(22.23,95.63) v2(22.35,12.45) v2(22.48,113.92) v2(22.48,87.5) v2(22.86,204.47) v2(23.37,134.75) v2(23.5,107.06) v2(23.5,42.93) v2(24,32.89) v2(24.89,35.94) v2(25.4,128.4) v2(25.53,124.21) v2(25.78,195.83) v2(25.91,181.86) v2(25.91,93.6) v2(25.91,7.37) v2(26.03,136.65) v2(26.03,74.04) v2(26.29,115.57) v2(26.29,12.45) v2(29.72,166.37) v2(30.48,204.47) v2(37.85,166.37) v2(38.1,204.47) v2(38.35,124.08) v2(39.24,185.42) v2(42.29,169.16) v2(42.42,176.02) v2(42.55,127.89) v2(42.55,94.23) v2(42.55,43.94) v2(42.55,6.99) v2(42.67,11.94) v2(42.8,194.18) v2(42.8,134.37) v2(43.18,33.15) v2(43.31,185.42) v2(43.56,166.37) v2(45.21,125.48) v2(45.72,204.47) v2(45.85,169.04) v2(45.97,35.18) v2(46.1,7.11) v2(46.23,81.66) v2(46.36,176.02) v2(46.36,127.89) v2(46.61,194.44) v2(46.74,12.57) v2(46.99,137.03) v2(47.12,185.42) v2(53.34,204.47) v2(60.45,185.42) v2(60.96,204.47) v2(60.96,43.69) v2(61.47,53.59) v2(62.1,33.02) v2(62.23,122.56) v2(62.86,168.53) v2(62.99,193.93) v2(62.99,11.94) v2(63.12,95.38) v2(63.12,6.48) v2(63.25,133.99) v2(63.25,74.42) v2(63.37,175.13) v2(63.63,127.64) v2(64.52,185.42) v2(64.64,166.12) v2(65.79,35.31) v2(66.17,67.18) v2(66.29,168.53) v2(66.29,87.25) v2(66.42,121.03) v2(66.55,6.86) v2(66.67,194.82) v2(66.8,177.04) v2(66.8,12.19) v2(67.56,53.85) v2(68.45,185.42) v2(68.58,204.47) v2(76.2,204.47) v2(81.41,145.29) v2(82.17,43.69) v2(82.93,81.28) v2(83.06,154.81) v2(83.18,148.34) v2(83.18,6.86) v2(83.31,186.56) v2(83.31,168.66) v2(83.31,87.63) v2(83.31,33.27) v2(83.44,127.25) v2(83.44,122.3) v2(83.44,11.94) v2(83.69,174.75) v2(83.69,53.72) v2(83.82,204.47) v2(86.36,177.93) v2(86.49,145.29) v2(86.61,169.04) v2(86.61,121.54) v2(86.74,54.48) v2(86.87,34.29) v2(86.99,156.34) v2(87.12,194.18) v2(87.12,186.56) v2(87.12,95.5) v2(87.25,133.86) v2(87.5,7.11) v2(91.44,204.47) v2(99.06,204.47) v2(99.44,145.54) v2(101.73,185.42) v2(103.25,33.4) v2(103.63,168.53) v2(103.63,155.07) v2(103.63,145.54) v2(103.76,53.59) v2(103.76,46.74) v2(103.76,12.19) v2(104.01,93.85) v2(104.01,6.1) v2(104.14,176.02) v2(106.55,177.55) v2(106.68,204.47) v2(106.68,169.04) v2(106.81,101.47) v2(106.93,34.42) v2(106.93,21.46) v2(107.06,155.57) v2(107.32,11.81) v2(107.44,6.48) v2(107.57,145.54) v2(107.57,47.12) v2(107.95,96.27) v2(108.08,53.97) v2(109.73,185.29) v2(114.3,204.47) v2(120.52,145.29) v2(121.92,204.47) v2(123.44,80.9) v2(123.57,186.31) v2(123.7,145.29) v2(123.95,168.53) v2(123.95,155.07) v2(123.95,94.62) v2(123.95,87.76) v2(124.08,101.47) v2(124.08,43.94) v2(124.08,8.64) v2(124.33,176.02) v2(126.11,53.85) v2(126.87,46.86) v2(127.13,168.28) v2(127.25,184.78) v2(127.51,87.25) v2(127.64,188.21) v2(127.76,156.84) v2(127.89,176.02) v2(127.89,94.87) v2(127.89,5.59) v2(128.02,194.31) v2(128.02,145.29) v2(128.52,80.9) v2(129.54,204.47) v2(137.16,204.47) v2(141.86,9.02) v2(142.62,122.43) v2(143.89,145.67) v2(144.14,174.12) v2(144.14,155.32) v2(144.14,53.59) v2(144.4,141.1) v2(144.4,94.74) v2(144.53,168.66) v2(144.65,188.85) v2(144.65,133.73) v2(144.65,128.52) v2(144.65,87.38) v2(144.78,204.47) v2(144.91,41.28) v2(146.05,185.42) v2(146.18,43.56) v2(146.56,46.86) v2(147.32,157.35) v2(147.45,176.15) v2(147.7,86.74) v2(147.7,53.72) v2(147.83,195.33) v2(147.83,145.54) v2(147.83,133.86) v2(147.95,142.62) v2(148.08,188.72) v2(148.08,128.4) v2(148.21,122.56) v2(148.46,95.38) v2(148.46,5.59) v2(152.4,204.47) v2(160.02,204.47) v2(161.54,21.72) v2(161.93,175.39) v2(161.93,9.14) v2(162.05,122.43) v2(163.58,166.12) v2(163.96,24) v2(164.08,107.44) v2(164.21,27.05) v2(164.46,187.07) v2(164.46,94.11) v2(164.46,87.63) v2(164.59,53.72) v2(164.72,154.69) v2(164.72,114.68) v2(164.72,81.66) v2(165.74,195.07) v2(166.37,184.91) v2(166.62,46.48) v2(167.51,188.21) v2(167.51,54.1) v2(167.64,204.47) v2(167.64,114.68) v2(167.89,107.31) v2(167.89,87.63) v2(168.15,157.1) v2(168.27,194.44) v2(168.27,21.72) v2(168.27,5.97) v2(168.4,122.05) v2(168.53,32.38) v2(168.66,166.12) v2(168.78,174.88) v2(168.78,96.14) v2(175.26,204.47) v2(181.36,186.06) v2(181.86,61.21) v2(181.99,85.22) v2(182.12,75.06) v2(182.37,174.88) v2(182.63,66.17) v2(182.88,204.47) v2(183.13,81.41) v2(183.26,41.4) v2(183.39,43.94) v2(184.4,145.92) v2(184.4,86.74) v2(184.66,106.43) v2(184.79,163.19) v2(185.04,125.98) v2(185.04,93.47) v2(185.29,154.56) v2(185.42,73.15) v2(185.67,194.56) v2(185.67,167.39) v2(186.18,122.43) v2(188.34,185.04) v2(188.34,25.91) v2(188.47,194.94) v2(188.47,147.19) v2(188.47,96.65) v2(188.47,81.03) v2(188.6,43.94) v2(188.85,166.88) v2(188.85,163.58) v2(188.85,126.87) v2(188.98,155.19) v2(188.98,106.43) v2(189.1,41.28) v2(190.5,204.47) v2(191.39,66.04) v2(192.02,185.93) v2(192.02,174.75) v2(192.41,22.99) v2(192.53,122.56) v2(192.66,61.09) v2(197.49,26.54) v2(197.74,25.02) v2(198.12,204.47) v2(199.77,41.4) v2(200.91,106.43) v2(201.93,185.55) v2(202.44,192.15) v2(202.56,81.91) v2(202.69,200.03) v2(202.69,65.91) v2(202.82,101.98) v2(202.82,58.55) v2(202.95,77.22) v2(203.71,122.94) v2(205.74,204.47) v2(209.3,190.63) v2(210.82,6.35) v2(210.82,3.81) v2(211.46,187.96) v2(211.58,122.94) v2(211.84,116.59) v2(212.47,132.08) v2(213.36,204.47) v2(213.87,182.25) v2(214.76,151.89) v2(214.88,159) v2(215.77,187.96) v2(216.54,17.02) v2(217.04,73.28) v2(218.44,6.35) v2(218.44,3.81) v2(218.95,156.72) v2(219.71,23.5) v2(220.6,68.96) v2(220.98,204.47) v2(221.11,108.2) v2(221.62,121.03) v2(222.25,38.74) v2(222.38,123.83) v2(223.27,134.37) v2(223.52,48.9) v2(223.65,58.42) v2(224.03,136.14) v2(224.16,13.72) v2(224.41,15.62) v2(224.54,64.77) v2(225.93,26.67) v2(226.06,8.89) v2(226.06,3.81) v2(226.44,74.55) v2(227.46,59.94) v2(227.58,54.23) v2(227.58,46.61) v2(227.58,15.37) v2(227.97,23.11) v2(228.22,83.82) v2(228.35,178.82) v2(228.6,204.47) v2(228.73,32.64) v2(229.11,72.52) v2(229.24,89.28) v2(229.87,160.02) v2(230,111.12) v2(231.14,152.91) v2(231.27,122.56) v2(231.78,70.23) v2(232.03,133.35) v2(233.3,102.23) v2(233.55,183.77) v2(233.68,8.89) v2(234.19,155.96) v2(234.44,146.18) v2(234.95,93.47) v2(234.95,76.45) v2(236.09,193.93) v2(236.73,16.89) v2(237.49,191.13) v2(237.62,178.44) v2(238.25,81.41) v2(238.38,168.66)
/cl_1: length 197.9
  Top w0.25: SW1.6 SW2.6 SW3.6 SW4.6 SW5.6 SW6.6 SW7.6 SW8.6 SW9.6 SW10.6
  Bottom w0.25: D6.2 21.59,15.24 SW10.6
/cl_2: length 215.2
  Top w0.25: v2(27.69,86.87) 30.48,89.66 SW16.6 ; v2(27.69,168.53) 30.48,171.32 SW12.6 SW11.6 ; v2(28.32,67.31) 30.48,69.47 SW17.6 ; v2(28.58,46.74) 30.48,48.64 SW18.6 ; v2(28.58,127.89) 30.48,129.79 SW14.6 ; v2(26.92,106.81) 30.48,110.36 SW15.6 ; v2(28.83,148.59) 30.48,150.24 SW13.6 ; SW19.6 30.48,30.61 v2(26.54,26.67)
  Bottom w0.25: v2(26.54,26.67) 30.35,22.86 SW20.6 41.87,15.2 D7.2 ; v2(28.58,46.74) 28.58,37.47 SW19.6 ; v2(27.69,168.53) 27.69,160.27 SW13.6 ; v2(28.32,67.31) 28.32,58.04 SW18.6 ; SW16.6 30.48,103.25 v2(26.92,106.81) ; v2(28.58,127.89) 28.58,118.75 SW15.6 ; v2(27.69,86.87) 27.69,78.99 SW17.6 ; SW14.6 28.83,138.81 v2(28.83,148.59)
/cl_3: length 212.5
  Top w0.25: v2(48.64,26.29) 48.64,33.4 SW29.6 ; SW26.6 50.8,89.15 v2(48.51,86.87) ; v2(48.64,46.99) 50.8,49.15 SW28.6 ; v2(49.02,127.64) 49.02,135.38 SW24.6 ; SW25.6 50.8,109.47 v2(48.51,107.19) ; SW23.6 47.62,154.31 v2(47.62,148.72) ; v2(49.02,168.78) 50.8,170.56 SW22.6 SW21.6 ; v2(48.77,66.68) 48.77,74.17 SW27.6
  Bottom w0.25: v2(48.64,26.29) 48.64,17.4 SW30.6 62.23,15.24 D8.2 ; v2(49.02,168.78) 50.8,167 SW23.6 ; SW26.6 48.51,98.81 v2(48.51,107.19) ; SW27.6 50.8,84.58 v2(48.51,86.87) ; v2(48.77,66.68) 48.77,57.91 SW28.6 ; v2(47.62,148.72) 47.62,140.34 SW24.6 ; SW25.6 49.02,118.62 v2(49.02,127.64) ; v2(48.64,46.99) 50.8,44.83 SW29.6
/cl_4: length 214
  Top w0.25: v2(69.21,127.76) 71.12,129.67 SW34.6 ; SW33.6 71.12,150.75 v2(68.33,147.95) ; v2(68.45,87.12) 71.12,89.79 SW36.6 ; SW38.6 71.12,49.15 v2(68.33,46.36) ; SW35.6 71.12,110.36 v2(68.71,107.95) ; SW37.6 68.45,73.53 v2(68.45,66.8) ; SW31.6 SW32.6 71.12,170.31 v2(68.83,168.02) ; SW39.6 71.12,27.81 v2(69.21,25.91)
  Bottom w0.25: v2(69.21,127.76) 69.21,118.75 SW35.6 ; v2(68.33,46.36) 71.12,43.56 SW39.6 ; v2(68.71,107.95) 68.71,98.93 SW36.6 ; SW34.6 68.33,139.95 v2(68.33,147.95) ; SW37.6 68.45,78.87 v2(68.45,87.12) ; SW33.6 68.83,159.77 v2(68.83,168.02) ; SW38.6 68.45,58.55 v2(68.45,66.8) ; v2(69.21,25.91) 69.21,17.15 SW40.6 82.55,15.24 D9.2
/cl_5: length 213.6
  Top w0.25: SW48.6 91.44,49.28 v2(88.65,46.48) ; v2(88.52,127.64) 91.44,130.56 SW44.6 ; SW47.6 91.44,69.09 v2(89.41,67.06) ; SW46.6 89.41,94.49 v2(89.41,87.25) ; v2(89.41,26.16) 89.41,33.53 SW49.6 ; v2(88.9,107.31) 91.44,109.86 SW45.6 ; SW43.6 91.44,149.99 v2(89.15,147.7) ; v2(89.15,168.4) 91.44,170.69 SW42.6 SW41.6
  Bottom w0.25: v2(88.9,107.31) 88.9,99.06 SW46.6 ; v2(89.15,168.4) 91.44,166.12 SW43.6 ; v2(88.65,46.48) 88.65,38.35 SW49.6 ; v2(89.41,67.06) 89.41,57.91 SW48.6 ; SW45.6 91.44,124.71 v2(88.52,127.64) ; D10.2 102.87,15.24 SW50.6 89.41,17.27 v2(89.41,26.16) ; SW47.6 89.41,78.23 v2(89.41,87.25) ; v2(89.15,147.7) 89.66,147.19 89.66,141.99 91.44,140.21 SW44.6
/cl_6: length 214.3
  Top w0.25: SW54.6 109.6,135 v2(109.6,128.4) ; SW56.6 109.73,94.49 v2(109.73,87.88) ; v2(109.47,26.16) 109.47,33.27 SW59.6 ; SW58.6 109.35,53.47 v2(109.35,47.12) ; SW55.6 109.22,114.3 v2(109.22,108.08) ; v2(109.47,148.72) 109.47,155.19 SW53.6 ; v2(109.09,168.66) 109.09,175.13 SW52.6 SW51.6 ; v2(109.73,67.56) 109.73,74.17 SW57.6
  Bottom w0.25: SW56.6 111.76,105.54 v2(109.22,108.08) ; v2(109.09,168.66) 111.76,165.99 SW53.6 ; SW55.6 109.6,119 v2(109.6,128.4) ; SW59.6 111.76,44.7 v2(109.35,47.12) ; v2(109.73,87.88) 111.76,85.85 SW57.6 ; SW58.6 111.76,65.53 v2(109.73,67.56) ; SW54.6 111.76,146.43 v2(109.47,148.72) ; v2(109.47,26.16) 109.47,17.53 SW60.6 115.73,19.21 124.3,19.21 D4.2
/cl_7: length 216.2
  Top w0.25: v2(129.41,26.16) 132.08,28.83 SW69.6 ; SW64.6 132.08,130.18 v2(129.67,127.76) ; v2(128.78,107.19) 132.08,110.49 SW65.6 ; SW66.6 132.08,89.15 v2(129.79,86.87) ; v2(129.54,147.83) 132.08,150.37 SW63.6 ; SW68.6 132.08,48.77 v2(129.92,46.61) ; v2(129.54,168.02) 132.08,170.56 SW62.6 SW61.6 ; SW67.6 132.08,69.22 v2(129.41,66.55)
  Bottom w0.25: SW69.6 130.3,37.34 130.3,46.23 v2(129.92,46.61) ; v2(129.67,127.76) 129.67,119.25 SW65.6 ; v2(129.54,147.83) 132.08,145.29 SW64.6 ; v2(129.41,26.16) 129.41,18.41 129.29,18.29 129.41,18.16 129.41,17.91 SW70.6 136.05,19.21 144.62,19.21 D5.2 ; v2(129.79,86.87) 132.08,84.58 SW67.6 ; SW68.6 132.08,63.88 v2(129.41,66.55) ; v2(128.78,107.19) 128.78,99.82 SW66.6 ; v2(129.54,168.02) 129.54,160.02 SW63.6
/cl_8: length 217.4
  Top w0.25: SW74.6 151.51,136.27 151.51,135.51 149.99,133.99 v2(149.99,128.27) ; v2(149.86,46.1) 152.4,48.64 SW78.6 ; SW79.6 148.59,31.75 148.59,26.67 v2(149.1,26.16) ; v2(150.11,107.82) 152.4,110.11 SW75.6 ; v2(149.61,168.91) 149.61,175.01 SW72.6 SW71.6 ; v2(149.73,66.93) 152.4,69.6 SW77.6 ; v2(150.37,148.59) 149.86,149.1 149.86,154.94 SW73.6 ; v2(149.61,86.87) 152.4,89.66 SW76.6
  Bottom w0.25: SW79.6 152.4,43.56 v2(149.86,46.1) ; v2(149.73,66.93) 149.73,58.55 SW78.6 ; v2(149.61,86.87) 149.61,78.99 SW77.6 ; v2(150.11,107.82) 150.11,98.81 SW76.6 ; v2(149.61,168.91) 152.4,166.12 SW73.6 ; v2(149.99,128.27) 152.4,125.86 SW75.6 ; v2(149.1,26.16) 152.4,22.86 SW80.6 156.59,19.43 164.72,19.43 D1.2 ; SW74.6 152.4,146.56 v2(150.37,148.59)
/cl_9: length 203.6
  Top w0.25: v2(169.29,27.05) 172.72,30.48 SW89.6 ; v2(170.18,127.76) 172.72,130.3 SW84.6 ; SW86.6 170.69,94.49 v2(170.69,87.5) ; SW87.6 172.72,69.6 v2(169.93,66.8) ; v2(170.18,107.31) 172.72,109.86 SW85.6 ; v2(170.43,168.78) 172.72,171.07 SW82.6 SW81.6 ; SW83.6 172.72,150.5 v2(170.43,148.21) ; v2(170.18,46.36) 170.18,53.34 SW88.6
  Bottom w0.25: v2(169.93,66.8) 169.93,58.67 SW88.6 ; v2(170.18,127.76) 170.18,119.38 SW85.6 ; D2.2 170.05,38.23 ; 170.05,38.23 170.18,38.35 v2(170.18,46.36) ; 170.05,38.23 SW89.6 ; v2(170.69,87.5) 170.69,78.23 SW87.6 ; SW90.6 172.72,23.62 v2(169.29,27.05) ; SW83.6 170.43,159.77 v2(170.43,168.78) ; SW86.6 170.18,99.06 v2(170.18,107.31) ; v2(170.43,148.21) 170.43,139.45 SW84.6
/cl_10: length 275.8
  Top w0.25: SW91.6 193.04,194.94 195.71,192.28 195.71,180.47 SW92.6 197.67,177.8 200.42,175.05 200.42,164.86 SW93.6 197.67,157.48 200.42,154.73 200.42,144.54 SW94.6 197.67,137.16 200.42,134.41 200.42,123.45 197.67,120.71 197.67,116.84 ; 200.41,97.15 193.67,97.15 SW96.6 ; 200.41,97.15 D3.2 210.95,102.62 200.42,113.15 200.42,114.09 197.67,116.84 ; 200.41,97.15 200.41,93.78 200.42,93.77 200.42,83.58 SW97.6 197.67,76.2 200.42,73.45 200.42,63.25 SW98.6 197.67,55.88 200.91,52.63 v2(200.91,47.12) ; 197.67,116.84 SW95.6 ; v2(201.55,25.65) 201.55,31.68 197.67,35.56 SW99.6
  Bottom w0.25: 200.72,37.41 198.87,35.56 SW99.6 ; 200.72,37.41 200.91,37.61 v2(200.91,47.12) ; 200.72,37.41 200.81,37.51 ; v2(201.55,25.65) 201.55,17.92 198.87,15.24 SW100.6
/dc: length 132.8
  Bottom w0.25: 227.99,143.02 218.57,133.6 218.57,91.38 212.57,85.38 212.57,73.18 218.06,67.69 218.06,28.19 U2.19
/esp_5V_external: length 100.5
  Bottom w0.5: J2.2 238.38,76.84 238.38,15.11 235.59,12.32 211.22,12.32 210,13.54 210,15.06 U2.21
/key_1: length 68.4
  Top w0.25: v2(226.69,78.74) 226.29,79.15 C105.1 R5.2
  Bottom w0.25: v2(226.69,78.74) 236.15,69.28 236.15,23.43 U2.26
/led_1: length 192.5
  Top w0.25: SW2.4 16.46,176.13 15.09,177.5 15.09,180.93 17.54,183.39 v2(19.18,183.39) ; SW91.2 186.86,188.51 v2(181.74,183.39)
  Bottom w0.25: v2(181.74,183.39) v2(19.18,183.39)
/led_2: length 193.2
  Top w0.25: SW3.4 16.46,158.05 15.09,159.43 15.09,161.77 18.42,165.1 191.35,165.1 SW92.2
/led_3: length 192.9
  Top w0.25: SW4.4 16.46,137.73 15.09,139.11 15.09,140.94 15.62,141.48 31.98,141.48 34.72,144.22 189.56,144.22 193.21,147.87 SW93.2
/led_4: length 192.5
  Top w0.25: SW94.2 192.96,127.55 189.44,124.03 42.59,124.03 40.03,121.47 16.58,121.47 15.09,119.97 15.09,117.63 16.46,116.26 SW5.4
/led_5: length 192.5
  Top w0.25: SW6.4 16.46,97.09 15.09,98.47 15.09,99.65 17.03,101.6 40.1,101.6 42.78,104.28 191.49,104.28 SW95.2
/led_6: length 192.5
  Top w0.25: SW96.2 190.9,83.37 19.12,83.37 15.09,79.33 15.09,78.15 16.46,76.77 SW7.4
/led_7: length 192.5
  Top w0.25: SW8.4 16.46,56.45 15.09,57.83 15.09,59.01 17.47,61.4 37.74,61.4 40.05,63.71 191.56,63.71 SW97.2
/led_8: length 192.5
  Top w0.25: SW9.4 16.46,36.13 15.09,37.51 15.09,38.69 17.34,40.95 29.62,40.95 31.16,42.5 190.67,42.5 SW98.2
/led_9: length 192.5
  Top w0.25: SW99.2 191.73,25.95 188.6,22.81 41.45,22.81 39.84,21.2 17.92,21.2 15.09,18.37 15.09,17.19 16.46,15.81 SW10.4
/reset_tft: length 105.2
  Top w0.25: U2.35 237.87,48.01 237.87,71.37 231.9,77.34 231.9,99.82 225.44,106.28 225.44,143.02
